# Altium PCB LOGI-PI.PcbDoc (part 3 of 3)
Units mil, origin at the board's own origin, x right, y up, seen from the top; angles counter-clockwise.
Board outline 3363.37 x 2303.46 mil, 4 copper layers (Top Layer, GND, VDD, Bottom Layer); 111 components, 137 nets, 532 pads, 353 vias.
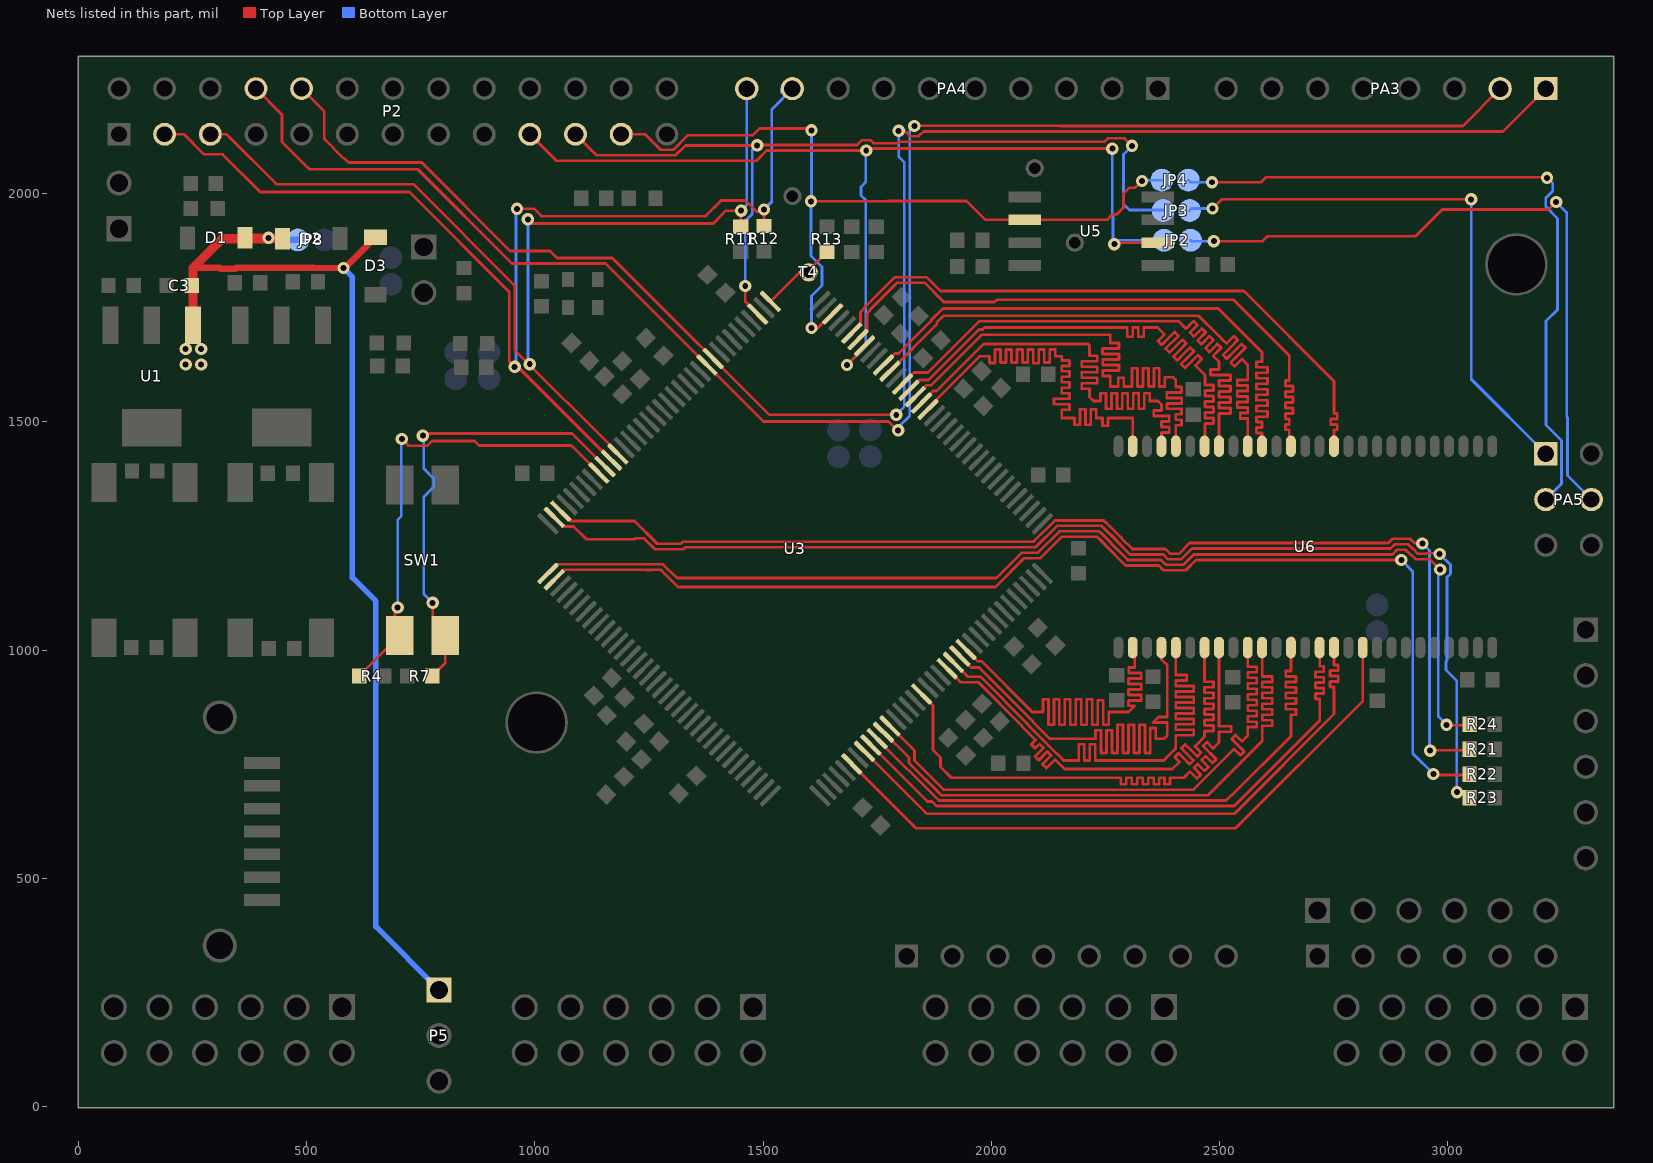
[diagram p5: the nets of this part, all layers, seen from the top]

## Via types
v1: diameter 27, hole 13, Top Layer to Bottom Layer, 267 vias
v2: diameter 27, hole 13, Top Layer to Bottom Layer, tented both sides, 76 vias
v3: diameter 27, hole 15, Top Layer to Bottom Layer, 10 vias

## Nets (pads, with @x,y where several pads share a name; then routed paths per layer and width w, separated by ;. In a path a pad name is that pad's centre, name@x,y a point inside that pad or via, vN(x,y) a via of type N, cw(c..) or ccw(c..) an arc to the next point about the centre after c; other vN are vias at no path point) (continued)
SD-DQ0: U3.24 U6.2 | length 1422.3
  Top Layer w6: U3.24@1944.8,1001.22 1970.03,976 1978.18,976 2089.64,864.54 2113,864.54 2113,892.54 2125,892.54 2125,836.54 2137,836.54 2137,892.54 2149,892.54 2149,836.54 2161,836.54 2161,892.54 2173,892.54 2173,836.54 2185,836.54 2185,892.54 2197,892.54 2197,836.54 2209,836.54 2209,892.54 2221,892.54 2221,836.54 2233,836.54 2233,890.07 2245,890.07 2245,836.54 2257,836.54 2257,864.54 2300.31,864.54 2313.82,878.05 2300.23,878.05 2300.23,890.05 2328.27,890.05 2328.27,902.05 2300.23,902.05 2300.23,914.05 2328.27,914.05 2328.27,926.05 2300.23,926.05 2300.23,938.05 2328.27,938.05 2328.27,950.05 2300.69,950.05 2300.69,962.05 2313.82,962.05 2313.82,1001.58 U6.2@2309.61,1005.79
SD-DQ1: U3.23 U6.4 | length 1399.2
  Top Layer w6: U3.23@1934.23,983.48 1955.66,962.05 1973.25,962.05 2090.5,844.8 2090.5,843.67 2128.31,805.85 2228.31,805.85 2228.31,824.54 2240.31,824.54 2240.31,774.85 2252.31,774.85 2252.31,824.54 2264.31,824.54 2264.31,774.85 2276.31,774.85 2276.31,836.85 2288.31,836.85 2288.31,774.85 2300.31,774.85 2300.31,836.85 2312.31,836.85 2312.31,774.85 2324.31,774.85 2324.31,836.85 2336.31,836.85 2336.31,774.85 2348.31,774.85 2348.31,829.42 2360.31,829.42 2360.31,805.85 2378.31,805.85 2385.24,812.78 2385.24,841.42 2354.24,841.42 2366.24,853.42 2385.24,853.42 2385.24,967.42 2372.6,980.05 U6.4@2372.6,1005.79
SD-DQ2: U3.22 U6.5 | length 1387.4
  Top Layer w6: U3.22@1916.96,973.39 1948.31,942.04 1976.29,942.04 2078.5,839.83 2078.5,838.7 2145.33,771.87 2145.92,771.27 2154.41,762.79 2158.65,758.54 2167.58,758.54 2179.58,758.54 2191.58,758.54 2191.58,793.85 2203.58,793.85 2203.58,758.54 2215.58,758.54 2215.58,793.85 2227.58,793.85 2227.58,758.54 2239.58,758.54 2251.58,758.54 2263.58,758.54 2275.58,758.54 2287.58,758.54 2299.58,758.54 2311.58,758.54 2323.58,758.54 2335.58,758.54 2347.58,758.54 2359.58,758.54 2371.58,758.54 2377.58,758.54 2382.89,763.85 2391.37,772.33 2399.86,780.82 2404.1,785.06 2404.1,789.54 2404.1,801.54 2404.1,813.54 2443.1,813.54 2443.1,825.54 2404.1,825.54 2404.1,837.54 2443.1,837.54 2443.1,849.54 2404.1,849.54 2404.1,861.54 2443.1,861.54 2443.1,873.54 2404.1,873.54 2404.1,885.54 2443.1,885.54 2443.1,897.54 2404.1,897.54 2404.1,909.54 2443.1,909.54 2443.1,921.54 2404.1,921.54 2404.1,933.54 2427.93,933.54 2427.93,945.54 2404.1,945.54 2404.1,957.54 2404.1,969.54 2404.1,975.54 U6.5@2404.1,1005.79
SD-DQ3: U3.21 U6.7 | length 1417.8
  Top Layer w6: U3.21@1903.04,959.47 1932.47,930.04 1971.32,930.04 2066.5,834.86 2066.5,833.73 ; 2081.84,818.38 2066.5,833.73 ; 2156.44,743.79 2160.68,739.54 ; 2210,739.54 2234,739.54 ; 2222,739.54 2234,739.54 ; 2448.88,786.42 2459.64,775.66 2451.15,767.18 2437.39,780.94 2424.58,793.75 2416.1,785.26 2428.91,772.45 2442.67,758.69 2434.18,750.21 2420.42,763.97 2410.2,774.19 2401.71,765.71 2411.94,755.48 2396,739.54 2378,739.54 2234,739.54 ; 2450.12,785.18 2445.88,789.42 2454.36,797.91 2462.85,806.39 2467.09,810.64 2467.09,810.95 2467.09,822.95 2486.59,822.95 2486.59,834.95 2467.09,834.95 2467.09,846.95 2486.59,846.95 2486.59,858.95 2467.09,858.95 2467.09,870.95 2486.59,870.95 2486.59,882.95 2467.09,882.95 2467.09,894.95 2486.59,894.95 2486.59,906.95 2467.09,906.95 2467.09,918.95 2486.59,918.95 2486.59,930.95 2467.09,930.95 2467.09,942.95 2467.09,948.95 2467.09,958.54 2467.09,970.54 2467.09,976.54 U6.7@2467.09,1005.79 ; 2066.5,833.73 2097.04,803.18 2087.49,793.63 2095.97,785.14 2105.53,794.7 2114.01,786.21 2095.31,767.5 2103.79,759.02 2122.5,777.73 2130.98,769.24 2111.89,750.15 2120.38,741.66 2139.47,760.76 2160.68,739.54 ; 2160.68,739.54 2234,739.54
SD-DQ4: U3.17 U6.8 | length 1399.2
  Top Layer w6: U3.17@1847.37,903.79 1872,879.16 1872,781.36 1888.5,764.86 1888.5,744.22 1912.18,720.54 2283.49,720.54 2283.49,706.54 2295.49,706.54 2295.49,720.54 2307.49,720.54 2307.49,706.54 2319.49,706.54 2319.49,720.54 2331.49,720.54 2331.49,706.54 2343.49,706.54 2343.49,720.54 2355.49,720.54 2355.49,706.54 2367.49,706.54 2367.49,720.54 2379.49,720.54 2379.49,706.54 2391.49,706.54 2391.49,720.54 2421.49,720.54 2434.95,734.01 2450.24,718.72 2458.72,727.2 2443.43,742.49 2451.92,750.98 2467.21,735.69 2475.69,744.17 2460.4,759.46 2468.89,767.95 2484.18,752.66 2492.67,761.14 2463.62,790.19 2472.1,798.68 2485.86,784.92 2498.59,797.64 2498.59,821.54 2525.59,821.54 2525.59,833.54 2498.59,833.54 U6.8@2498.59,1005.79
SD-DQ5: U3.12 U6.10 | length 1407.5
  Top Layer w6: U3.12@1777.77,834.19 1831.5,780.46 1831.5,758.22 1895.18,694.54 2443.03,694.54 2529.52,781.03 2531.88,783.39 2545.38,769.89 2553.87,778.38 2540.37,791.88 2526.63,805.62 2535.11,814.1 2548.85,800.36 2557.34,808.85 2561.58,813.09 2561.58,819.54 2561.58,831.54 2581.08,831.54 2581.08,843.54 2561.58,843.54 2561.58,855.54 2581.08,855.54 2581.08,867.54 2561.58,867.54 2561.58,879.54 2581.08,879.54 2581.08,891.54 2561.58,891.54 2561.58,903.54 2581.08,903.54 2581.08,915.54 2561.58,915.54 2561.58,927.54 2581.08,927.54 2581.08,939.54 2561.58,939.54 2561.58,951.54 2581.08,951.54 2581.08,963.54 2561.58,963.54 2561.58,969.54 U6.10@2561.58,1005.79
SD-DQ6: U3.11 U6.11 | length 1367
  Top Layer w6: U3.11@1763.85,820.27 1819.5,764.62 1819.5,753.25 1890.21,682.54 2475,682.54 2593.08,800.62 2593.08,834.54 2615.08,834.54 2615.08,846.54 2593.08,846.54 2593.08,858.54 2615.08,858.54 2615.08,870.54 2593.08,870.54 2593.08,882.54 2615.08,882.54 2615.08,894.54 2593.08,894.54 2593.08,906.54 2615.08,906.54 2615.08,918.54 2593.08,918.54 2593.08,930.54 2615.08,930.54 2615.08,942.54 2593.08,942.54 2593.08,966.54 U6.11@2593.08,1005.79
SD-DQ7: U3.10 U6.13 | length 1393.8
  Top Layer w6: U3.10@1749.93,806.35 1749.93,805.85 1885.24,670.54 2514,670.54 2527,683.54 2528.03,683.54 2656.07,811.58 2656.07,858.54 2667.07,858.54 2667.07,870.54 2645.07,870.54 2645.07,882.54 2667.07,882.54 2667.07,894.54 2645.07,894.54 2645.07,906.54 2667.07,906.54 2667.07,918.54 2645.07,918.54 2645.07,930.54 2667.07,930.54 2667.07,942.54 2645.07,942.54 2645.07,954.54 2656.07,954.54 U6.13@2656.07,1005.79 ; U6.13@2656.07,1026.71 U6.13@2657.83,1028.47
SD-DQ8: U3.66 U6.42 | length 1417.6
  Top Layer w6: U3.66@1708.17,1680.49 1709.55,1680.49 1727.61,1698.56 1727.61,1737.37 1733.5,1743.25 1733.5,1744.55 1793.94,1805 1853.37,1805 1895.82,1762.54 2007,1762.54 2012,1767.54 2530,1767.54 2652.47,1645.07 2652.47,1590.54 2644.47,1590.54 2644.47,1578.54 2660.47,1578.54 2660.47,1566.54 2644.47,1566.54 2644.47,1554.54 2660.47,1554.54 2660.47,1542.54 2644.47,1542.54 2644.47,1530.54 2660.47,1530.54 2660.47,1518.54 2644.47,1518.54 2644.47,1506.54 2652.47,1506.54 2652.47,1494.54 2644.47,1494.54 2644.47,1482.54 2652.47,1482.54 2652.47,1450.33 U6.42@2656.07,1446.74
SD-DQ9: U3.62 U6.44 | length 1414.9
  Top Layer w6: U3.62@1763.85,1624.81 1788.95,1649.92 1797.1,1649.92 1868.3,1721.11 1868.3,1722.63 1894.21,1748.54 2497,1748.54 2593,1652.54 2593,1631.54 2581,1631.54 2581,1619.54 2605,1619.54 2605,1607.54 2581,1607.54 2581,1595.54 2605,1595.54 2605,1583.54 2581,1583.54 2581,1571.54 2605,1571.54 2605,1559.54 2581,1559.54 2581,1547.54 2605,1547.54 2605,1535.54 2581,1535.54 2581,1523.54 2605,1523.54 2605,1511.54 2581,1511.54 2581,1499.54 2593,1499.54 2593,1487.54 2581,1487.54 2581,1475.54 2593,1475.54 2593,1446.81 U6.44@2593.08,1446.74
SD-DQ10: U3.61 U6.45 | length 1414.4
  Top Layer w6: U3.61@1777.77,1610.9 1880.3,1713.42 1880.3,1717.66 1895.18,1732.54 2453.87,1732.54 2498.44,1687.98 2506.43,1679.99 2514.91,1671.5 2531.18,1687.77 2539.66,1679.28 2523.4,1663.02 2507.13,1646.76 2515.62,1638.27 2531.88,1654.53 2548.15,1670.8 2556.63,1662.31 2540.37,1646.05 2524.1,1629.79 2532.59,1621.3 2548.85,1637.56 2557.34,1629.08 2561.58,1624.84 2561.58,1615.54 2561.58,1603.54 2561.58,1591.54 2538.58,1591.54 2538.58,1579.54 2561.58,1579.54 2561.58,1567.54 2538.58,1567.54 2538.58,1555.54 2561.58,1555.54 2561.58,1543.54 2538.58,1543.54 2538.58,1531.54 2561.58,1531.54 2561.58,1519.54 2545.08,1519.54 2545.08,1507.54 2561.58,1507.54 2561.58,1495.54 2561.58,1483.54 2561.58,1477.54 U6.45@2561.58,1446.74
SD-DQ11: U3.59 U6.47 | length 1417.9
  Top Layer w6: U3.59@1805.61,1583.06 1830.52,1607.97 1860.97,1607.97 1967.44,1714.44 1967.44,1714.54 ; 1959,1705.54 1974,1720.54 2410,1720.54 2426.46,1704.08 2442.93,1720.54 2451.41,1712.06 2434.95,1695.59 2443.43,1687.11 2461.11,1704.79 2469.6,1696.3 2451.92,1678.62 2460.4,1670.14 2478.08,1687.82 2486.57,1679.33 2468.89,1661.65 2477.38,1653.17 2495.05,1670.85 2503.54,1662.36 2485.86,1644.68 2498.59,1631.95 2498.59,1614.54 2479.95,1614.54 2479.95,1602.54 2523.59,1602.54 2523.59,1590.54 2498.59,1590.54 2498.59,1578.54 2523.59,1578.54 2523.59,1566.54 2498.59,1566.54 2498.59,1554.54 2523.59,1554.54 2523.59,1542.54 2498.59,1542.54 2498.59,1530.54 2523.59,1530.54 2523.59,1518.54 2498.59,1518.54 U6.47@2498.59,1446.74
SD-DQ12: U3.58 U6.48 | length 1454.1
  Top Layer w6: U3.58@1819.53,1569.14 1842.39,1592 1862.52,1592 1973.09,1702.57 1981.03,1702.57 ; 1981.6,1702.57 1981.03,1702.57 ; U6.48@2467.09,1446.74 2467.95,1447.6 2467.95,1496.54 2486.59,1496.54 2486.59,1508.54 2467.95,1508.54 2467.95,1520.54 2486.59,1520.54 2486.59,1532.54 2467.95,1532.54 2467.95,1544.54 2486.59,1544.54 2486.59,1556.54 2467.95,1556.54 2467.95,1568.54 2486.59,1568.54 2486.59,1580.54 2467.95,1580.54 2467.95,1602.31 2446.74,1623.52 2460.88,1637.66 2452.4,1646.15 2438.25,1632.01 2424.11,1617.86 2415.63,1626.35 2429.77,1640.49 2443.91,1654.63 2435.43,1663.12 2421.28,1648.98 2407.14,1634.83 2398.66,1643.32 2412.8,1657.46 2426.94,1671.6 2418.45,1680.09 2390.17,1651.8 2381.69,1660.29 2409.97,1688.57 2401.48,1697.06 2387.34,1682.92 2373.2,1668.78 2364.71,1677.26 2378.86,1691.4 2363.72,1706.54 2333.72,1706.54 2333.72,1686.54 2321.72,1686.54 2321.72,1706.54 2309.72,1706.54 2309.72,1686.54 2297.72,1686.54 2297.72,1706.54 1985,1706.54 1981.03,1702.57
SD-DQ13: U3.57 U6.50 | length 1577.7
  Top Layer w6: U3.57@1833.45,1555.22 1858.23,1580 1867.49,1580 1978.06,1690.57 2260.42,1690.57 2260.42,1684.57 2260.42,1672.57 2279.42,1672.57 2279.42,1660.57 2260.42,1660.57 2243.41,1660.57 2243.41,1648.57 2260.42,1648.57 2279.42,1648.57 2279.42,1636.57 2260.42,1636.57 2244,1636.57 2244,1624.57 2260.42,1624.57 2279.42,1624.57 2279.42,1612.57 2260.42,1612.57 2244,1612.57 2244,1600.57 2260.42,1600.57 2260.42,1588.57 2260.42,1577.54 2266.42,1577.54 2267,1577.54 2278,1577.54 2278,1596.54 2290,1596.54 2290,1577.54 2302,1577.54 2308,1577.54 2308,1617.54 2320,1617.54 2320,1577.54 2332,1577.54 2332,1617.54 2344,1617.54 2344,1577.54 2356,1577.54 2356,1617.54 2368,1617.54 2368,1577.54 2380,1577.54 2380,1597.54 2398,1597.54 2404.1,1591.44 2404.1,1576.54 2416.49,1576.54 2416.49,1564.54 2384.1,1564.54 2384.1,1552.54 2416.95,1552.54 2416.95,1540.54 2384.6,1540.54 2384.6,1528.54 2416.49,1528.54 2416.49,1516.54 2404.1,1516.54 2404.1,1504.54 2416.49,1504.54 2416.49,1492.54 2404.1,1492.54 U6.50@2404.1,1446.74
SD-DQ14: U3.56 U6.51 | length 1403.8
  Top Layer w6: U3.56@1847.37,1541.3 1847.37,1542.91 1872,1567.54 1879.94,1567.54 1982.94,1670.54 2212,1670.54 2215,1667.54 2215,1644.87 2232,1644.87 2232,1632.87 2198,1632.87 2198,1620.87 2232,1620.87 2232,1608.87 2198,1608.87 2198,1596.87 2232,1596.87 2232,1584.87 2198,1584.87 2198,1572.87 2215,1572.87 2215,1554.87 2224.33,1545.54 2239,1545.54 2239,1562.54 2251,1562.54 2251,1528.54 2263,1528.54 2263,1562.54 2275,1562.54 2275,1528.54 2287,1528.54 2287,1562.54 2299,1562.54 2299,1528.54 2311,1528.54 2311,1562.54 2323,1562.54 2323,1528.54 2335,1528.54 2335,1562.54 2347,1562.54 2347,1545.54 2365,1545.54 2372.6,1537.94 2372.6,1524.74 2355.6,1524.74 2355.6,1512.74 2389.6,1512.74 2389.6,1500.74 2372.6,1500.74 2372.6,1488.74 2389.6,1488.74 2389.6,1476.74 2372.6,1476.74 U6.51@2372.6,1446.74
SD-DQ15: U3.55 U6.53 | length 1429.6
  Top Layer w6: U3.55@1861.29,1527.38 1861.29,1530.51 1974.27,1643.49 1996,1643.49 1996,1628.8 2008,1628.8 2008,1658.55 2020,1658.55 2020,1630.23 2032,1630.23 2032,1658.55 2044,1658.55 2044,1630.23 2056,1630.23 2056,1658.55 2068,1658.55 2068,1629.96 2080,1629.96 2080,1658.55 2092,1658.55 2092,1628.56 2104,1628.56 2104,1658.55 2116,1658.55 2116,1629.96 2128,1629.96 2128,1658.55 2140,1658.55 2140,1643.49 2154.41,1643.49 2154.41,1637.49 ; 2154.41,1638.54 2154.41,1637.49 ; 2267.61,1508.65 2255.61,1508.65 ; U6.53@2309.61,1446.74 2309.61,1508.65 2255.61,1508.65 ; 2154.41,1637.49 2154.41,1634.65 2171.41,1634.65 2171.41,1622.65 2154.41,1622.65 2154.41,1610.65 2171.41,1610.65 2171.41,1598.65 2154.41,1598.65 2154.41,1586.65 2171.41,1586.65 2171.41,1574.65 2154.41,1574.65 2154.41,1562.65 2171.41,1562.65 2171.41,1550.65 2137.41,1550.65 2137.41,1538.65 2171.41,1538.65 2171.41,1526.65 2154.41,1526.65 2154.41,1508.65 2164,1508.65 2170,1508.65 2182,1508.65 2182,1493.54 2194,1493.54 2194,1508.65 2194,1527.65 2206,1527.65 2206,1508.65 2206,1493.54 2218,1493.54 2218,1508.65 2218,1527.65 2230,1527.65 2230,1508.65 2242,1508.65 2243.61,1508.65 2243.61,1491.65 2255.61,1491.65 2255.61,1508.65
SD-DQMH: U3.67 U6.39 | length 1402.1
  Top Layer w6: U3.67@1694.25,1694.41 1713.69,1713.85 1713.69,1740.42 1721.5,1748.22 1721.5,1749.52 1788.97,1817 1858.34,1817 1888.79,1786.54 2553,1786.54 2750.56,1588.99 2750.56,1529.54 2750.56,1518.54 2757.56,1518.54 2757.56,1506.54 2750.56,1506.54 2743.56,1506.54 2743.56,1494.54 2750.56,1494.54 2757.56,1494.54 2757.56,1482.54 2750.56,1482.54 2750.56,1470.54 2750.56,1464.54 U6.39@2750.56,1446.74
SD-DQML: U3.9 U6.15 | length 1384.2
  Top Layer w6: U3.9@1736.01,792.43 1859.9,668.54 1870.27,668.54 1880.27,658.54 2532.09,658.54 2719.06,845.52 2719.06,893 2710.06,893 2710.06,905 2728.06,905 2728.06,917 2710.06,917 2710.06,929 2728.06,929 2728.06,941 2710.06,941 2710.06,953 2728.06,953 2728.06,965 2719.06,965 U6.15@2719.06,1005.79
SD-RAS: U3.6 U6.18 | length 1409.8
  Top Layer w6: U3.6@1694.25,750.67 1834.85,610.08 2534.54,610.08 2813.55,889.09 U6.18@2813.55,1005.79
SD-WE: U3.8 U6.16 | length 1393.5
  Top Layer w6: U3.8@1722.09,778.51 1859.06,641.54 2532.06,641.54 2750.56,860.04 2750.56,919.54 2741.56,919.54 2741.56,931.54 2759.56,931.54 2759.56,943.54 2741.56,943.54 2741.56,955.54 2759.56,955.54 2759.56,967.54 2750.56,967.54 U6.16@2750.56,1005.79
SPND: R13.2 T4.1 U3.73 | length 171.2
  Top Layer w6: U3.73@1516.08,1764.01 1579.62,1827.54 T4.1@1600,1827.54 1600,1831.98 R13.2@1640,1871.98
SW0: R7.2 SW1.A2 U3.99 | length 970.3
  Top Layer w6: v1(755,1470) 759.54,1474.54 1081.74,1474.54 U3.99@1154.18,1402.1 ; R7.2@775.56,943.31 804.06,971.81 SW1.A2@804.06,1032 ; SW1.A2@776.49,1057.43 v1(776.49,1103.54)
  Bottom Layer w6: v1@756.8,1470 756.8,1398.08 778.56,1376.32 778.56,1357.68 756.8,1335.92 756.8,1123.23 v1(776.49,1103.54)
SW1: R4.2 SW1.A1 U3.100 | length 990.4
  Top Layer w6: R4.2@615.44,943.31 704.06,1031.93 SW1.A1@704.06,1032 ; 693.69,1074.63 693.69,1087.54 v1(699.69,1093.54) ; v1(709,1462.54) 724.04,1447.5 764.32,1447.5 774.86,1458.04 868.32,1458.04 878.32,1448.04 1080.4,1448.04 U3.100@1140.26,1388.18
  Bottom Layer w6: v1(699.69,1093.54) 699.69,1285.42 707.34,1293.07 707.34,1460.89 v1(709,1462.54)
SYS_MISO: JP3.1 P2.21 U3.75 | length 1884.5
  Top Layer w6: P2.21@1089.37,2130 1135.37,2084 1308.42,2084 1329.97,2105.54 v1(1487,2105.54) 1488,2106.54 1706.18,2106.54 1716.68,2117.04 1735.32,2117.04 1741.82,2110.54 1796.82,2110.54 1800,2113.72 2248.29,2113.72 2255.61,2121.04 2291.5,2121.04 v1(2308,2104.54) ; v1(1461,1797.54) 1461,1763.42 U3.75@1488.25,1736.17
  Bottom Layer w6: v1(1461,1797.54) 1461,1939.72 1476.37,1955.09 1476.37,2094.91 v1(1487,2105.54) ; v1(2308,2104.54) 2289.5,2086.04 2289.5,1977.22 2302.68,1964.04 2375.23,1964.04 JP3.1@2376.39,1962.88
SYS_MISO_ARD: JP3.2 PA5.E1 | length 1252
  Top Layer w6: v1(2484.39,1967.2) 2504.74,1987.54 v1(3051,1987.54)
  Bottom Layer w6: JP3.2@2434.39,1962.88 2438.71,1967.2 v1(2484.39,1967.2) ; v1(3051,1987.54) 3051,1593.37 PA5.E1@3214.37,1430
SYS_MOSI: JP2.1 P2.19 U3.65 U5.2 | length 2292.4
  Top Layer w6: P2.19@983.48,2134.44 P2.19@986.04,2137 ; P2.19@989.37,2130 1047.37,2072 1485.28,2072 1507.82,2094.54 v1(1726,2094.54) 1730,2098.54 v1(2264.93,2098.54) ; v1(1683.91,1624.54) 1722.09,1662.73 U3.65@1722.09,1666.57 ; v1(2269.29,1889.32) 2272.52,1892.54 U5.2@2364.67,1892.54
  Bottom Layer w6: P2.19@989.37,2130 P2.19@992.37,2127 ; v1(1683.91,1624.54) 1725,1665.64 1725,1985.72 1714.5,1996.22 1714.5,2014.86 1725,2025.36 v1@1725,2094.54 ; v1(2264.93,2098.54) 2264.93,1953.98 2266.34,1952.57 2266.34,1892.27 v1(2269.29,1889.32) 2277.85,1897.88 JP2.1@2378.39,1897.88
SYS_MOSI_ARD: JP2.2 PA5.E4 | length 1520.6
  Top Layer w6: v1(2487.39,1895.88) 2594.33,1895.88 2605,1906.54 2929,1906.54 2987.63,1965.17 3041.55,1965.17 3041.68,1965.04 3220.5,1965.04 v1(3237,1981.54)
  Bottom Layer w6: JP2.2@2436.39,1897.88 2438.39,1895.88 v1(2487.39,1895.88) ; v1(3237,1981.54) 3260,1958.54 3260,1511.54 3262,1509.54 3262,1382.37 PA5.E4@3314.37,1330
SYS_RX: P2.10 PA3.C1 U3.82 | length 3733.9
  Top Layer w6: P2.10@489.37,2230 539.17,2180.2 539.17,2119.37 581.3,2077.24 582.93,2077.24 592.17,2068 752.45,2068 946.11,1874.35 1033.18,1874.35 1048.48,1859.04 1169.7,1859.04 1359.11,1669.63 1359.91,1669.63 1514,1515.54 v1(1791.69,1515.54) ; v1(1797,2137.54) 1810.36,2137.54 1822.18,2125.72 1840.82,2125.72 1851.32,2136.22 3120.59,2136.22 PA3.C1@3214.37,2230
  Bottom Layer w6: v1(1791.69,1515.54) 1809.5,1533.35 1809.5,2068.36 1797,2080.86 v1(1797,2137.54)
SYS_SCK: JP4.1 P2.23 U3.70 U5.6 | length 1794.1
  Top Layer w6: P2.23@1189.37,2130 1241.29,2130 1275.29,2096 1303.45,2096 1335,2127.54 1477.18,2127.54 1492.18,2142.54 v1@1598.5,2142.54 ; v1(1605,1983.04) 1772.29,1983.04 1773.29,1984.04 1945.51,1984.04 1987.01,1942.54 2253.5,1942.54 2265.82,1954.86 2275.13,1954.86 2289.5,1969.22 2289.5,1999.86 2302.68,2013.04 2315.36,2013.04 v1(2330,2027.68) ; v1(1606,1705.82) 1619.82,1705.82 1650.17,1736.17 U3.70@1652.49,1736.17
  Bottom Layer w6: v1(1606,1705.82) 1606,1775.54 1629,1798.54 1629,1839.56 1605,1863.56 v1(1605,1983.04) 1606,1984.04 v1(1606,2138.54) ; v1(2330,2027.68) 2331.78,2029.46 JP4.1@2373.39,2029.46
SYS_SCK_ARD: JP4.2 PA5.E3 | length 1557.8
  Top Layer w6: v1(2483.39,2024.88) 2590.33,2024.88 2601,2035.54 3216,2035.54 v1(3217,2034.54)
  Bottom Layer w6: JP4.2@2431.39,2029.46 2435.98,2024.88 v1(2483.39,2024.88) ; PA5.E3@3214.37,1330 3248.87,1364.5 3248.87,1459.23 3215,1493.1 3215,1720.54 3240,1745.54 3240,1945.72 3214.5,1971.22 3214.5,1990.86 3229.87,2006.23 3229.87,2021.67 v1(3217,2034.54)
SYS_SCL: P2.5 PA4.D10 R11.1 U3.97 | length 2398.7
  Top Layer w6: P2.5@289.37,2130 324.68,2130 433.93,2020.75 734.35,2020.75 956,1799.09 956,1657.54 1182.02,1431.53 U3.97@1182.02,1429.94 ; v1(985,1943.54) 994,1934.54 1391,1934.54 1419,1962.54 v1(1452,1962.54) 1451,1961.54 R11.1@1451,1927.1 ; PA4.D10@1464.37,2230 PA4.D10@1480.51,2213.86
  Bottom Layer w6: v1(985,1943.54) 985,1630.54 v1(989,1626.54) ; v1(1452,1962.54) 1464.37,1974.91 PA4.D10@1464.37,2230
SYS_SDA: P2.3 PA4.D9 R12.1 U3.98 | length 2617.4
  Top Layer w6: P2.3@189.37,2130 232,2130 276,2086 316.4,2086 398.86,2003.54 725.46,2003.54 944,1785 944,1632.54 v1(956,1620.54) ; v1@959.5,1624.04 1167.52,1416.02 U3.98@1168.1,1416.02 ; v1(961,1966.54) 999,1966.54 1015,1950.54 1374,1950.54 1408.5,1985.04 1461.32,1985.04 1485.82,1960.54 v1@1502,1960.54 ; R12.1@1502,1929.1 v1@1502,1960.54 ; v1(1502,1965.17) v1@1502,1960.54
  Bottom Layer w6: v1(956,1620.54) 959,1623.54 959,1964.54 v1(961,1966.54) ; v1(1502,1965.17) 1519,1982.17 1519,2184.63 PA4.D9@1564.37,2230 ; 1540.37,2221.18 PA4.D9@1540.37,2230
SYS_TX: P2.8 PA3.C2 U3.83 | length 3750.1
  Top Layer w6: P2.8@389.37,2230 446.65,2172.72 446.65,2113.46 494.87,2065.24 494.87,2064.67 506.3,2053.24 743.76,2053.24 949.96,1847.04 1154.66,1847.04 1500.66,1501.04 1774.37,1501.04 1793.87,1481.54 v1(1796,1481.54) ; v1(1831.5,2148.22) 1831.78,2148.5 2151.23,2148.5 2151.51,2148.22 3032.59,2148.22 PA3.C2@3114.37,2230
  Bottom Layer w6: v1(1796,1481.54) 1796,1488.03 1821.5,1513.53 1821.5,2138.22 v1(1831.5,2148.22)
TCK: R24.2 U3.109 | length 2480
  Top Layer w6: U3.109@1028.9,1168.26 1048.69,1188.04 1248.29,1188.04 1248.79,1187.54 1249.29,1188.04 1281.29,1188.04 1311.29,1158.04 2011.47,1158.04 2067.04,1213.62 2102.25,1213.62 2148.93,1260.29 2236.16,1260.29 2240.41,1256.04 2241.29,1256.04 2261.5,1235.83 2261.5,1234.95 2298.91,1197.54 2371.72,1197.54 2382.22,1187.04 2420.75,1187.04 2443.25,1209.54 2878.18,1209.54 2888.68,1220.04 2907.32,1220.04 2918.82,1208.54 2920.21,1208.54 2929.71,1199.04 2958.29,1199.04 2959.4,1200.15 v1(2983,1176.54) ; v1(2997,836.54) 2998,835.54 R24.2@3047.6,835.54
  Bottom Layer w6: v1@2979,1174 2979,854.54 v1(2997,836.54) ; v1(2983,1176.54) v1@2983,1179.72
TDI: R22.2 U3.110 | length 2543.6
  Top Layer w6: U3.110@1042.82,1154.34 1064.53,1176.04 1243.32,1176.04 1243.82,1175.54 1253.76,1175.54 1254.26,1176.04 1276.32,1176.04 1313.82,1138.54 2008.94,1138.54 2072.01,1201.62 2107.22,1201.62 2153.9,1248.29 2231.19,1248.29 2235.44,1244.04 2236.32,1244.04 2249.5,1230.86 2249.5,1229.98 2293.94,1185.54 2366.75,1185.54 2377.25,1175.04 2425.72,1175.04 2448.22,1197.54 v1(2898,1197.54) ; v1(2968,729) 2970.52,726.48 R22.2@3047.32,726.48
  Bottom Layer w6: v1(2898,1197.54) 2923,1172.54 2923,774 v1(2968,729)
TDO: R21.2 U3.106 | length 2523.3
  Top Layer w6: U3.106@1056.74,1304.67 1078.37,1283.04 1218.29,1283.04 1268.29,1233.04 1320.43,1233.04 1325,1237.62 2092.31,1237.62 2138.99,1284.29 2246.1,1284.29 2250.35,1280.04 2251.23,1280.04 2285.5,1245.77 2285.5,1244.9 2308.85,1221.54 2381.66,1221.54 2392.16,1211.04 2410.8,1211.04 2434.3,1234.54 2869.24,1234.54 2878.74,1244.04 2917.26,1244.04 2926.76,1234.54 v1@2933.5,1234.54 ; v1(2961,780) 2961.69,780.69 R21.2@3047.32,780.69
  Bottom Layer w6: v1(2944,1233.54) 2959.5,1218.04 2959.5,781.5 v1(2961,780)
TMS: R23.2 U3.107 | length 2623.7
  Top Layer w6: U3.107@1042.82,1290.75 1062.53,1271.04 1085.32,1271.04 1113.32,1243.04 1218.68,1243.04 1220.68,1245.04 1239.32,1245.04 1263.32,1221.04 1325.4,1221.04 1329.97,1225.62 2097.28,1225.62 2143.96,1272.29 2241.13,1272.29 2245.38,1268.04 2246.26,1268.04 2273.5,1240.8 2273.5,1239.93 2303.88,1209.54 2376.69,1209.54 2387.19,1199.04 2415.77,1199.04 2439.27,1222.54 2874.21,1222.54 2883.71,1232.04 2912.29,1232.04 2921.79,1222.54 2923.18,1222.54 2934.68,1211.04 2953.32,1211.04 2954.42,1212.15 2980.4,1212.15 v1(2982,1210.54) ; v1(3020,689) 3027.54,689 3041.49,675.06 R23.2@3047.32,675.06
  Bottom Layer w6: v1(2982,1210.54) 3005.5,1187.04 3005.5,1167.22 2998,1159.72 2998,977.32 2995.82,975.14 2995.82,956.5 3019.5,932.81 3019.5,689.5 v1(3020,689)
VIN_5V: C3.1 D1.1 D2.1 D3.2 JP8.2 P5.1 U1.1 | length 2571.2
  Top Layer w14: 251.69,1837.32 308.72,1837.32 311,1835.04 345.08,1835.04 347.36,1837.32 514.74,1837.32 515.02,1837.04 v1(581,1837.04) 583.78,1837.04 D3.2@651.27,1904.54
  Top Layer w20: U1.1@251.69,1711.82 251.69,1837.32 315.36,1900.99 423.06,1900.99 v1@423.41,1901.35 ; D1.1@365.36,1903 v1(417,1903) 445.73,1903 D2.1@447.38,1901.35 D2.1@448.38,1902.35
  Bottom Layer w12: v1(581,1837.04) 600,1818.04 600,1431.53 600.5,1431.03 600.5,1159.04 652,1107.54 652,394.37 P5.1@790.37,256
  Bottom Layer w14: v1(417,1903) 421.46,1898.54 JP8.2@481.17,1898.54
  other v2: 235.47,1625.54 269.47,1625.54 235.47,1659.54 269.47,1659.54
pads on no net: P2.1 P2.17 P3.x PA1.A1 PA1.A3 PA1.A8 PA4.D8 PA5.E2 PA5.E5 U3.72 U6.40

## Polygon pours and split planes (outlines as drawn)
GND on GND "GND" (solid, remove dead copper, pour order 10): 0,-2.46 3383.04,-2.46 3383.04,2301 0,2301
GND on Bottom Layer "GND_BOT" (solid, remove dead copper, pour order 11): 0,-2.46 3383.04,-2.46 3383.04,2301 0,2301
GND on Top Layer "GND_TOP" (solid, remove dead copper, pour order 12): 0,-2.46 3383.04,-2.46 3383.04,2301 0,2301
1V2 on VDD "1V2" (solid, pour order 8): 1314.37,985 1342.03,928 1860.37,972 1982.51,1117.95 1961.73,1165.91 1857.37,1479.06 1735,1482.54 1360.61,1503.66 1336.18,1477.11 1335.75,1476.37 1232.24,1302 1232.65,1228.54 1316.25,982.18
3V3 on VDD "VDD" (solid, pour order 9): 0,-2.46 3383.04,-2.46 3383.04,2301 0,2301
GND on VDD "GND_VDD_PLANE" (solid, pour order 7): 121.86,1675.24 122.86,1677.43 199,1677.43 418,1682.7 419,1682.7 419,1684 493,1684 493,1610 593,1609 593,1084.59 594,1082.4 591.67,1077.29 15,1077.29 15,1608.54 124.37,1608 125,1607.6 124.29,1667.39 122.7,1670.86

## Keep-outs
Keep-Out Layer:
  the board outline again, w30

## Other copper
Top Layer:
  rectangle net VIN_5V: 218.47,1611.54 285.47,1673.54
  rectangle net GND: 414.47,1614.54 481.47,1676.54
  rectangle net 3V3: 502.93,1613 569.93,1675
  rectangle net 3V3: 39.37,1609 106.37,1671
  rectangle net GND: 34,1506.54 101,1568.54
  rectangle net GND: 34,1445.54 101,1507.54
  rectangle net GND: 377,1526.03 444,1588.03
  rectangle net GND: 316,1446.54 383,1508.54
  rectangle net GND: 509,1446.54 576,1508.54
  rectangle net GND: 316,1506.54 383,1568.54
  rectangle net GND: 442.51,1524.54 509.51,1586.54
  rectangle net GND: 96.53,1528.41 163.53,1590.41
  rectangle net GND: 127,1608.54 194,1670.54
  rectangle net GND: 222,1446 289,1508
  rectangle net GND: 222,1507 289,1569
  rectangle net GND: 160.53,1528.41 227.53,1590.41
  rectangle net GND: 509,1508.54 576,1570.54
  rectangle net 1V2: 324,1611.54 391,1673.54
Bottom Layer:
  rectangle net 1V2: 1255.61,1241.55 1322.61,1303.55

## Silkscreen, mask and mechanical layers (free items; w line width, h text height)
Top Overlay:
  text "GND" at 223,2294 h60 r270
  text "TX" at 321.37,2294 h60 r270
  text "RX" at 417.37,2294 h60 r270
  text "IO1" at 521.37,2294 h60 r270
  text "GND" at 622.37,2294 h60 r270
  text "IO4" at 719.37,2294 h60 r270
  text "IO5" at 820.37,2294 h60 r270
  text "GND" at 918.37,2294 h60 r270
  text "IO6" at 1019.37,2294 h60 r270
  text "C0" at 1119.96,2294 h60 r270
  text "C1" at 1219.3,2294 h60 r270
  text "5V" at 124,2280 h60 r270
  text "5V" at 23,2279 h60 r270
  text "CLK" at 321.37,2164.54 h60 r270
  text "GND" at 421.37,2164.54 h60 r270
  text "IO0" at 519.37,2164.54 h60 r270
  text "IO2" at 623.37,2164.54 h60 r270
  text "IO3" at 721.37,2164.54 h60 r270
  text "NC" at 820.91,2164.54 h60 r270
  text "MOSI" at 921.37,2164.54 h60 r270
  text "MISO" at 1018.92,2164.54 h60 r270
  text "SCK" at 1119.96,2164.54 h60 r270
  text "GND" at 1218,2164.54 h60 r270
  text "NC" at 21,2163 h60 r270
  text "SDA" at 121,2159 h60 r270
  text "SCL" at 219,2158 h60 r270
  text "P5" at 1371.44,2105 h60 r90
  text "GND" at 12,2078.54 h70 r270
  text "INIT" at 1975.08,2043.72 h50
  text "FPGA" at 692,1982 h70
  text "DNE" at 1549,1970.38 h50 r270
  text "PWR" at 329,1949 h80
  text "RESET" at 672,1928.74 h70
  text "5V" at 11.46,1925.54 h70 r270
  text "DONE" at 1089.37,1915.78 h70
  text "SPND" at 1533,1875.54 h50 r270
  text "LED0" at 821,1522 h100
  text "LED1" at 592,1521 h100
  text "SW0" at 842,1494 h80 r270
  text "SW1" at 613,1493 h80 r270
  text "3V" at 3257.9,1047 h60 r90
  text "GND" at 3255,944.25 h50 r90
  text "TCK" at 3256,843.25 h50 r90
  text "JTAG" at 3194,810 h70 r90
  text "TDO" at 3257,733.25 h50 r90
  text "TDI" at 3258,640.25 h50 r90
  text "FPGA" at 3198.5,614 h70 r90
  text "LOGI-PI R1.2" at 1773,538.71 h60
  text "TMS" at 3260.62,520 h50 r90
  text "A1" at 2785.37,477.41 h60
  text "A0" at 2679.37,475.58 h60
  text "A2" at 2879.78,475.37 h60
  text "A3" at 2962.37,473.59 h60
  text "A4" at 3086.7,473.5 h60
  text "A5" at 3186.86,472.6 h60
  text "5V" at 695,286.54 h60 r270
  text "PMOD4" at 621.8,274.94 h70 r270
  text "PMOD3" at 1516.86,274.37 h70 r270
  text "PMOD1" at 3314.37,264.41 h70 r270
  text "EXT VOUT" at 828.37,259 h60 r270
  text "PMOD2" at 2416.54,255.51 h65 r270
  text "3V" at 695,195.01 h60 r270
  text "3V3" at 1787,152 h60
  text "GND" at 1911,152 h60
  text "3V3" at 2699,151.54 h60
  text "GND" at 2823,151.54 h60
  text "3V3" at 914.37,150 h60
  text "GND" at 125,148.54 h60
  text "GND" at 1027,148.54 h60
  text "3V3" at 18,146.21 h60
  text "GND" at 698,117 h60 r270
Bottom Overlay:
  text "-" at 917,2224.54 h60 r270
  text "C0" at 1119,2214.54 h60 r270
  text "5V" at 117,2206.54 h60 r270
  text "IO6" at 1024.04,2206 h60 r270
  text "C1" at 1219,2205.54 h70 r270
  text "5V" at 23,2204.54 h60 r270
  text "RX" at 420,2201.54 h60 r270
  text "IO1" at 515.15,2200.54 h60 r270
  text "TX" at 321,2198.54 h60 r270
  text "IO4" at 715.15,2191.54 h60 r270
  text "IO5" at 816.15,2189.54 h60 r270
  text "GND" at 623,2178.54 h60 r270
  text "GND" at 218,2177.54 h60 r270
  text "NC" at 20,2104.54 h60 r270
  text "P5" at 1339.46,2103.25 h60 r270
  text "SPI" at 2446,2065.54 h60
  text "INIT" at 2064.74,2008.25 h50
  text "NC" at 868,2006.41 h60 r270
  text "IO2" at 669,1986 h60 r270
  text "IO3" at 769.15,1983.21 h60 r270
  text "IO0" at 568.15,1982.77 h60 r270
  text "SCL" at 274.04,1981.82 h60 r270
  text "CLK" at 373.15,1977.22 h60 r270
  text "SDA" at 166.04,1971 h60 r270
  text "GND" at 16,1964.54 h60 r270
  text "GND" at 467.15,1962.79 h60 r270
  text "GND" at 1270,1962.79 h60 r270
  text "SCK" at 1165.33,1959.82 h60 r270
  text "MISO" at 1069.33,1947.54 h55 r270
  text "MOSI" at 979.33,1945.82 h55 r270
  text "DN" at 1591.75,1941.21 h50
  text "DIODE" at 449,1882 h60
  text "5V" at 11.37,1880 h60 r270
  text "PRGB" at 981,1864 h60
  text "DSBL" at 2152.37,1861.54 h50
  text "BYPASS" at 449,1839 h60
  text "RESET" at 801,1771 h60 r270
  text "SSPND" at 1659.25,1766.58 h50
  text "PB RST" at 611,1753 h60 r270
  text "EN" at 709,1610 h60 r270
  text "LED" at 755,1609.54 h60 r270
  text "M1" at 1645.12,1265.6 h80 r270
  text "M0" at 1708.21,1265.6 h80 r270
  text "M[1:0]" at 1553.5,1198 h70
  text "LOGI-Pi R1.2" at 2768,1197.78 h60
  text "MODE SELECT" at 1760.01,1129.02 h70
  text "3V" at 3254.12,1101.82 h60 r90
  text "V2014.03.18" at 2778.37,1088 h150
  text "SELF CFG: 01" at 1760.01,1074.3 h70
  text "GND" at 3252.33,1021.82 h50 r90
  text "SLAVE CFG: 11" at 1760.01,1019.57 h70
  text "SD-CS" at 2921.51,990 h60 r270
  text "DEFAULT: 11" at 1760.01,964.85 h70
  text "TCK" at 3252.33,918.82 h50 r90
  text "TDO" at 3253.33,817.54 h50 r90
  text "TDI" at 3249.33,707.82 h50 r90
  text "TMS" at 3258.62,594.71 h50 r90
  text "5N" at 1215,258.54 h60
  text "5P" at 1291,258.54 h60
  text "3N" at 512,255.51 h60
  text "7N" at 1421,255.54 h60
  text "7P" at 1497,255.54 h60
  text "3P" at 600.5,254.54 h60
  text "1P" at 402,253.54 h60
  text "1N" at 310.13,252.27 h60
  text "9N" at 2121,252.8 h60
  text "11P" at 2433,252.8 h60
  text "9P" at 2197.37,251.54 h60
  text "11N" at 2325,251.54 h60
  text "5V" at 710.37,234 h60 r270
  text "3V3" at 1889,152 h60
  text "GND" at 2013,152 h60
  text "3V3" at 105,151 h60
  text "6N" at 1218.04,151.5 h60
  text "6P" at 1294.04,151.5 h60
  text "10N" at 2123,151.5 h60
  text "10P" at 2225.37,151.5 h60
  text "3V3" at 2778,151.54 h60
  text "GND" at 2925.66,151.63 h60
  text "GND" at 232.67,150.45 h60
  text "8N" at 1419,150.54 h60
  text "8P" at 1495,150.54 h60
  text "12N" at 2328.27,150.54 h60
  text "2N" at 310.13,148.99 h60
  text "2P" at 407,149.61 h60
  text "4N" at 520,149.54 h60
  text "4P" at 608.32,148.99 h60
  text "GND" at 1128.04,148 h60
  text "12P" at 2434.39,148.54 h60
  text "3V3" at 1005.5,145.46 h60
  text "3V" at 708.37,141 h60 r270
  text "PMOD Compatible" at 2560.37,48 h40
  text "PMOD Compatible" at 1629,42 h40
  text "PMOD2" at 2247.37,40.54 h70
  text "EXT VOUT" at 827.37,38 h60 r270
  text "PMOD Compatible" at 614,37 h40
  text "PMOD Compatible" at 3350,34 h40
  text "PMOD3" at 1303.83,29.54 h70
  text "PMOD4" at 296,26 h70
  text "PMOD1" at 3032,25 h70
  text "GND" at 711.37,14 h60 r270
Top Solder:
  text "V2014.03.18" at 2883,1555.54 h100
Mechanical 2:
  lines w10: 986.73,1220.4 2196.67,1220.4 ; 1570.37,610.13 1570.37,1797.54
Mechanical 3:
  lines w20: -2624.96,1031 -224.96,1031 ; -2624.96,3131 6325.04,3131
  text "PCB Fabrication Notes" at -2604.96,3251 h150
  text "Unless otherwise specified, all dimensions are in inches" at -2636,2931 h100
  text "Overall Dimension:  3.471\"  x  2.685\"" at -2636,2831 h100
  text "Finished Thickness:  .062\"" at -2636,2731 h100
  text "Layer Count: 4" at -2636,2631 h100
  text "Min Thru Hole: 13 mil" at -2636,2542 h100
  text "Annular Ring: 7 mil" at -2636,2449 h100
  text "Min Trace/Space: 6 mil" at -2636,2354 h100
  text "Drill Count:" at -2636,2248 h100
  text ".hole_Count" at -2040.96,2248 h100
  text "PAD Count:" at -2636,2148 h100
  text ".pad_Count" at -2040.96,2148 h100
  text "Component Count:" at -2636,2048 h100
  text ".Component_Count" at -1840.96,2048 h100
  text "Via Count:" at -2636,1948 h100
  text ".Via_Count" at -2040.96,1948 h100
  text "Plating: Gold ENIG" at -2636,1726.73 h100
  text "Solder Mask:  Black" at -2636,1627 h100
  text "Legend:  White Non-Conductive Ink LPI Process" at -2636,1527 h100
  text "RS274-X Gerber Format, 2.5 Leading Zeros Suppressed" at -2636,1427 h100
  text "Excellon Drill Format, 2.5 Trailing Zeros Suppressed" at -2636,1327 h100
  text "Layer Details" at -2624.96,1131 h100
  text "4-Layer Stackup" at -1824.96,1131 h100
  text "POLARITY" at -924.96,1131 h100
  text ".GTL - Top Copper" at -2624.96,931 h100
  text "POSITIVE" at -924.96,931 h100
  text ".G1 - Inner Copper (Ground)" at -2624.96,831 h100
  text "POSITIVE" at -924.96,831 h100
  text ".G2 - Inner Copper (VDD)" at -2624.96,731 h100
  text "POSITIVE" at -924.96,731 h100
  text ".GBL - Bottom Copper" at -2624.96,631 h100
  text "POSITIVE" at -926,630.54 h100
  text ".GTO - Top Silkscreen" at -2624.96,431 h100
  text ".GBO - Bottom Silkscreen" at -2624.96,331 h100
  text ".GTP - Top Solder Paste" at -2624.96,231 h100
  text ".GBP - Bottom Solder Paste" at -2624.96,131 h100
  text ".GTS -  Top Solder Mask" at -2624.96,31 h100
  text ".GBS - Bottom Solder Mask" at -2624.96,-69 h100
  text ".GKO - Board Outline" at -2624.96,-169 h100
  text ".GM1 - 3D Part Bodies - System" at -2624.96,-269 h100
  text ".GM2 - Board Dimensions" at -2624.96,-369 h100
  text ".GM3 - Single Board Fabrication Notes" at -2624.96,-469 h100
  text ".GM4 - Single Board Score/Tab Route" at -2624.96,-569 h100
  text ".GM13 - 3D Body Alt" at -2624.96,-669 h100
  text ".GM15 - Assembly Outlines - Top" at -2624.96,-769 h100
  text ".GM20 - Panel Dimensions" at -2624.96,-869 h100
  text ".GM21 - Panel Score/Tab Route" at -2624.96,-969 h100
  text ".GM22 - Panel Dimensions" at -2624.96,-1069 h100
  text ".TXT/.DRL - NC-Drill" at -2624.96,-1269 h100
Mechanical 4:
  drawing of 917 lines, arcs and shapes, not listed
[6] Dimension:
  lines w10: 10.66,-157.43 10.67,-137.43 ; 70.66,-167.45 10.66,-147.43 ; 70.67,-127.45 10.66,-147.43 ; 1291.45,-147.82 10.66,-147.43 ; 2083.21,-148.06 3364,-148.46 ; 3303.99,-168.44 3364,-148.46 ; 3304.01,-128.44 3364,-148.46 ; 3364,-158.46 3364,-138.46 ; 3513.3,2237.91 3533.04,2298 ; 3522.78,67.91 3543.04,8 ; 3523.04,2297.96 3543.04,2298.05 ; 3533.04,7.96 3553.04,8.05 ; 3536.31,1548.87 3533.04,2298 ; 3539.77,757.13 3543.04,8 ; 3553.3,2238.09 3533.04,2298 ; 3562.78,68.09 3543.04,8
  text "2290.022 (mil)" at 3500.36,1538.72 h60 r270.25
  text "3353.338 (mil)" at 1301.44,-183.81 h60 r359.98
[7] Cutouts:
  circle w5: c11.74,151.62 r0.02
  circle w5: c11.04,151.62 r0.02
  circle w5: c11.64,151.62 r0.02
  circle w5: c10.94,151.62 r0.02
  circle w5: c11.54,151.62 r0.02
  circle w5: c10.84,151.62 r0.02
  circle w5: c11.44,151.62 r0.02
  circle w5: c10.74,151.62 r0.02
  circle w5: c11.34,151.62 r0.02
  circle w5: c10.64,151.62 r0.02
  circle w5: c11.24,151.62 r0.02
  circle w5: c12.54,151.62 r0.02
  circle w5: c11.14,151.62 r0.02
  circle w5: c12.44,151.62 r0.02
  circle w5: c10.44,151.62 r0.02
  circle w5: c12.34,151.62 r0.02
  circle w5: c12.14,151.62 r0.02
  circle w5: c12.24,151.62 r0.02
  circle w5: c10.54,151.62 r0.02
  circle w5: c11.84,151.62 r0.02
  circle w5: c11.94,151.62 r0.02
  circle w5: c12.04,151.62 r0.02
  circle w5: c11.64,153.52 r0.02
  circle w5: c11.74,153.52 r0.02
  circle w5: c11.54,153.52 r0.02
  circle w5: c11.34,153.52 r0.02
  circle w5: c11.44,153.52 r0.02
  circle w5: c10.44,153.52 r0.02
  circle w5: c12.44,153.52 r0.02
  circle w5: c11.04,153.52 r0.02
  circle w5: c12.34,153.52 r0.02
  circle w5: c10.94,153.52 r0.02
  circle w5: c12.24,153.52 r0.02
  circle w5: c10.84,153.52 r0.02
  circle w5: c12.14,153.52 r0.02
  circle w5: c10.74,153.52 r0.02
  circle w5: c12.04,153.52 r0.02
  circle w5: c10.64,153.52 r0.02
  circle w5: c11.24,153.52 r0.02
  circle w5: c12.54,153.52 r0.02
  circle w5: c11.14,153.52 r0.02
  circle w5: c11.84,153.52 r0.02
  circle w5: c11.94,153.52 r0.02
  circle w5: c10.54,153.52 r0.02
  circle w5: c12.64,151.62 r0.02
  circle w5: c12.64,153.52 r0.02
  circle w5: c12.04,151.52 r0.02
  circle w5: c10.74,151.52 r0.02
  circle w5: c11.74,151.52 r0.02
  circle w5: c10.64,151.52 r0.02
  circle w5: c11.94,151.52 r0.02
  circle w5: c10.54,151.52 r0.02
  circle w5: c11.84,151.52 r0.02
  circle w5: c10.44,151.52 r0.02
  circle w5: c12.14,151.52 r0.02
  circle w5: c11.44,151.52 r0.02
  circle w5: c12.44,151.52 r0.02
  circle w5: c11.34,151.52 r0.02
  circle w5: c11.64,151.52 r0.02
  circle w5: c11.24,151.52 r0.02
  circle w5: c12.54,151.52 r0.02
  circle w5: c11.14,151.52 r0.02
  circle w5: c10.94,151.52 r0.02
  circle w5: c11.04,151.52 r0.02
  circle w5: c10.84,151.52 r0.02
  circle w5: c12.34,151.52 r0.02
  circle w5: c11.54,151.52 r0.02
  circle w5: c12.24,151.52 r0.02
  circle w5: c10.74,153.42 r0.02
  circle w5: c11.44,153.42 r0.02
  circle w5: c10.64,153.42 r0.02
  circle w5: c12.14,153.42 r0.02
  circle w5: c11.94,153.42 r0.02
  circle w5: c12.04,153.42 r0.02
  circle w5: c11.84,153.42 r0.02
  circle w5: c10.44,153.42 r0.02
  circle w5: c11.74,153.42 r0.02
  circle w5: c11.34,153.42 r0.02
  circle w5: c11.64,153.42 r0.02
  circle w5: c10.54,153.42 r0.02
  circle w5: c11.54,153.42 r0.02
  circle w5: c10.84,153.42 r0.02
  circle w5: c12.54,153.42 r0.02
  circle w5: c11.14,153.42 r0.02
  circle w5: c12.44,153.42 r0.02
  circle w5: c11.04,153.42 r0.02
  circle w5: c12.34,153.42 r0.02
  circle w5: c11.24,153.42 r0.02
  circle w5: c12.24,153.42 r0.02
  circle w5: c10.94,153.42 r0.02
  circle w5: c12.64,151.52 r0.02
  circle w5: c12.64,153.42 r0.02
  circle w5: c10.24,151.7 r0.06
  circle w5: c12.87,153.47 r0.06
  circle w5: c10.24,153.35 r0.06
  circle w5: c12.87,151.57 r0.06
  lines w5: 10.02,152 ccw(c10.57,152) 10.57,151.45 13.17,151.45 ccw(c13.17,151.7) 13.42,151.7 13.42,152.27 12.64,152.27 12.64,152.97 13.19,152.97 13.19,153.6 10.57,153.6 ccw(c10.57,153.05) 10.02,153.05 10.02,152

## Text inside footprints (layer, text, board x,y; h text height)
PA1: Top Overlay "3V3" at 2134.37,390 h50 r90; Top Overlay "5V" at 2224.37,390 h50 r90; Top Overlay "GND" at 2324.37,390 h50 r90; Top Overlay "GND" at 2424.37,390 h50 r90; Top Overlay "VIN" at 2524.37,390 h50 r90; Top Overlay "IOREF" at 1930,388.54 h50 r90
PA3: Top Overlay "RX" at 3224.37,2110 h50 r90; Top Overlay "TX" at 3124.37,2110 h50 r90; Top Overlay "D2" at 3024.37,2120 h50 r90; Top Overlay "D3" at 2924.37,2120 h50 r90; Top Overlay "D4" at 2824.37,2120 h50 r90; Top Overlay "D5" at 2724.37,2120 h50 r90; Top Overlay "D6" at 2624.37,2120 h50 r90; Top Overlay "D7" at 2524.37,2120 h50 r90
PA4: Top Overlay "D8" at 2384.05,2120 h50 r90; Top Overlay "D9" at 2284.05,2120 h50 r90; Top Overlay "D10" at 2184.05,2090 h50 r90; Top Overlay "D11" at 2084.05,2090 h50 r90; Top Overlay "D12" at 1984.05,2090 h50 r90; Top Overlay "D13" at 1884.05,2090 h50 r90; Top Overlay "GND" at 1784.05,2080 h50 r90; Top Overlay "SCL" at 1474.05,2090 h50 r90; Top Overlay "SDA" at 1574.05,2080 h50 r90
SW1: Top Overlay "OFF" at 664.06,1078 h50 r90; Top Overlay "ON" at 664.06,1260 h50 r90